# Altium PCB HSBNE-MOTOR.PcbDoc (part 1 of 3) (continued)
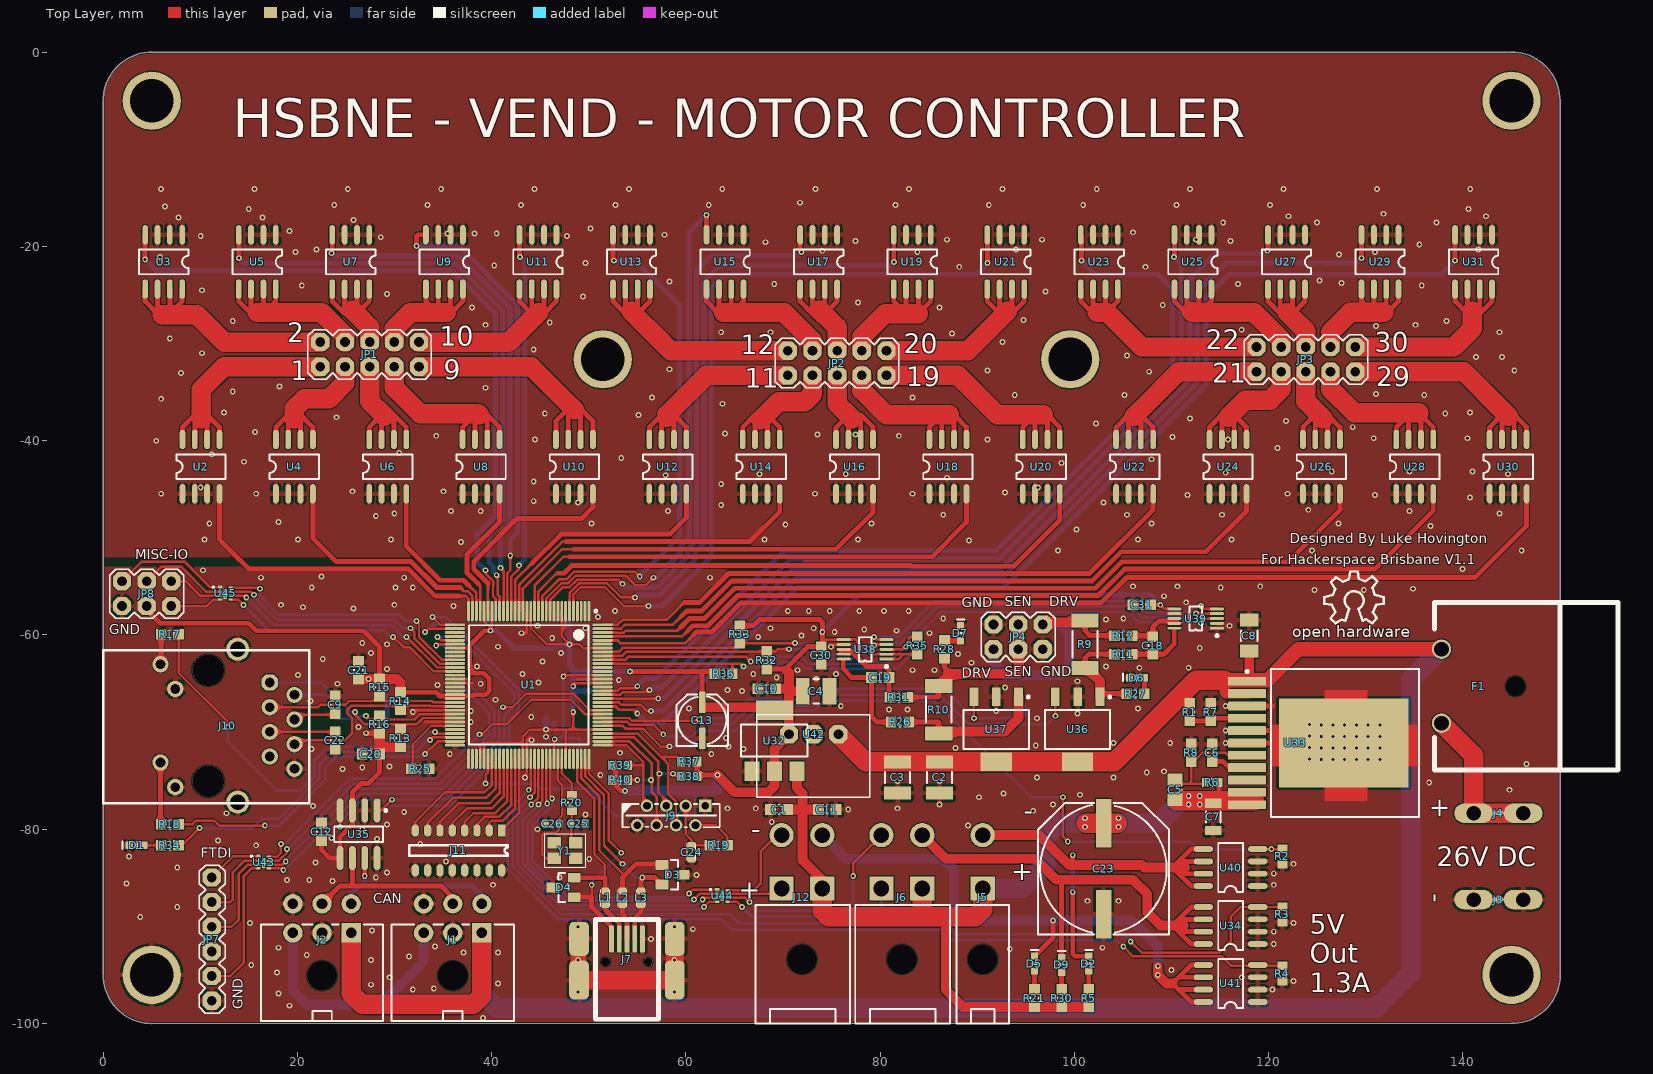
[diagram p0: Top Layer view]
## Footprints (in the part's own frame and the unit in brackets; to place one, negate y for a bottom-side part, rotate by r counter-clockwise, add the part's x,y. Pads: shape width x height; smd on the part's side, far side on the other; paste and mask are expansions set on the pad) (continued)
HEATSINK [mm]
  silkscreen extent 0,0 28,31, body extent 0,0 27.94,30.99, height 6
INF-SOT223_M [mm] "SOT223, 4-Leads, Body 6.5x3.5mm, Pitch 2.3mm, IPC Low Density"
  rect 1.9x0.9 smd: 1(-3.35,2.3) 2(-3.35,0) 3(-3.35,-2.3)
  rect 1.9x3.2 smd: 4(3.35,0)
  silkscreen extent -3.47,-3.35 2,3.43, body extent -1.85,-3.35 1.85,3.35, height 1.7
LED-0603 [mil]
  rect 30x30 smd: 1(-30,0) 2(30,0)
  silkscreen extent -5,-16 56,15, body extent -33,-14 32,14, height 27
M5569-2 [mm]
  rect 2.5x2.5 hole 1.6: 1(0,0)
  round 2.5 hole 1.6: 2(0,5.5)
  round 0 hole 3 unplated: A(0,-7.3)
  silkscreen extent -2.7,-13.9 2.7,-1.7, body extent -2.72,-13.91 3.08,6.03, height 11.4
M43045H-6 [mm]
  rect 2x2 hole 1.1: 1(0,0)
  round 2 hole 1.1: 2(-3,0) 3(-6,0) 4(0,3) 5(-3,3) 6(-6,3)
  round 0 hole 3 unplated: 7(-3,-4.4)
  silkscreen extent -9.3,-9.05 3.3,0.85, body extent -9.57,-8.95 3.58,3.25, height 8.83
magjack [mm]
  oct 1.676x1.676 hole 1: 1(-4.445,-2.54)
  round 1.676 hole 1: 2(-3.175,0) 3(-1.905,-2.54) 4(-0.635,0) 5(0.635,-2.54) 6(1.905,0) 7(3.175,-2.54) 8(4.445,0) 9(-6.325,-13.79) 10(-3.785,-12.27) 11(3.785,-13.79) 12(6.325,-12.27)
  round 2.355 hole 1.6: GND1(-7.875,-5.84) GND2(7.875,-5.84)
  round 3.25 hole 3.25 unplated: ""(-5.715,-8.89) ""(5.715,-8.89)
  silkscreen extent -7.75,-19.69 8,1.51, body extent -7.75,-19.68 8,1.52, height 13.55
"Molex 39-30-1040" [mm]
  rect 2.5x2.5 hole 1.6: 1(0,0) 2(-4.2,0)
  round 2.5 hole 1.6: 3(0,5.5) 4(-4.2,5.5)
  round 0 hole 3 unplated: A(-2.1,-7.3)
  silkscreen extent -6.9,-13.9 2.85,-1.7, body extent -6.96,-13.9 3.04,6.03, height 11.4
MOLX-67503-1020_V [mm] "Mini USB Connector, SMT, Righer Angle"
  rrect50% 2.8x0.5 smd: 1(0,0) 2(0,-0.8) 3(0,-1.6) 4(0,-2.4) 5(0,-3.2)
  rrect50% 3.5x2.05 smd: 6(0.025,3.325) 8(0.025,-6.525)
  rrect50% 4x2.05 smd: 7(-4.225,3.325) 9(-4.225,-6.525)
  round 0.9 hole 0.9 unplated: X(-2.325,-3.8) Y(-2.325,0.6)
  silkscreen extent -8.25,-4.85 2,1.65, body extent -8.22,-6.56 0.78,3.34, height 3.95
NDY0011A_M [mm] "DPAK, 11-Leads, Body 15.25x15.25mm, Pitch 1.27mm, IPC Low Density"
  rrect11% 3.9x0.9 smd: 1(-7.7,6.35) 2(-7.7,5.08) 3(-7.7,3.81) 4(-7.7,2.54) 5(-7.7,1.27) 6(-7.7,0) 7(-7.7,-1.27) 8(-7.7,-2.54) 9(-7.7,-3.81) 10(-7.7,-5.08) 11(-7.7,-6.35)
  rrect1% 13.37x9.126 smd: 12(2.25,0)
  silkscreen extent -7.82,-7.63 10,7.63, body extent -7.78,-7.5 10,7.5, height 6.11
ONSC-UDFN-8-517AD_V [mm] "SON, 8-Leads, Body 1.8x1.2mm, Pitch 0.4mm, Thermal Pad 0.35x1.1mm"
  rect 0.45x0.35 smd: 1(-0.525,0.65)
  rect 0.45x0.25 smd: 2(-0.525,0.2) 3(-0.525,-0.2) 4(-0.525,-0.6) 5(0.525,-0.6) 6(0.525,-0.2) 7(0.525,0.2) 8(0.525,0.6)
  rect 0.35x1.1 smd: 9(0,0)
  silkscreen extent -1.27,0.6 -1.17,0.7, body extent -0.6,-0.9 0.6,0.9, height 0.55
PANASONIC_C [mm]
  rect 2.2x0.65 smd: +(1.9,-0.2) -(-1.8,-0.2)
  silkscreen extent -2.6,-2.85 2.7,2.45, body extent -2.63,-2.88 2.75,2.5, height 5.4
PANASONIC_H13 [mm]
  rect 5x1.6 smd: +(4.7,0) -(-4.7,0)
  silkscreen extent -6.75,-6.75 6.75,6.75, body extent -6.75,-6.75 6.75,6.75, height 13.5
RESC0603(1608)_L [mm] "Chip Resistor, Body 1.6x0.8mm, IPC High Density"
  rect 0.7x0.9 smd: 1(-0.7,0) 2(0.7,0)
  silkscreen extent -0.05,-0.35 0.05,0.35, body extent -0.85,-0.47 0.85,0.47, height 0.6
RESC0603(1608)_M [mm] "Chip Resistor, Body 1.6x0.8mm, IPC Low Density"
  rect 1.1x1.1 smd: 1(-0.9,0) 2(0.9,0)
  silkscreen extent -0.05,-0.45 0.05,0.45, body extent -0.85,-0.47 0.85,0.47, height 0.6
RESC0603(1608)_N [mm] "Chip Resistor, Body 1.6x0.8mm, IPC Medium Density"
  rect 0.9x1 smd: 1(-0.8,0) 2(0.8,0)
  silkscreen extent -0.05,-0.4 0.05,0.4, body extent -0.85,-0.47 0.85,0.47, height 0.6
RESC2010(5025)_M [mm] "Chip Resistor, Body 5.0x2.5mm, IPC Low Density"
  rect 1.45x2.8 smd: 1(-2.45,0) 2(2.45,0)
  silkscreen extent -1.35,-1.3 1.35,1.3, body extent -2.6,-1.35 2.6,1.35, height 0.71
SO-8 [mm]
  oval 2x0.6 smd: 1(0,0) 2(0,-1.27) 3(0,-2.54) 4(0,-3.81) 5(5.588,-3.81) 6(5.588,-2.54) 7(5.588,-1.27) 8(5.588,0)
  silkscreen extent 1.52,-4.44 4.06,0.64, body extent -0.1,-4.32 5.68,0.58, height 1.45
"SOT-23 - ESD" [mm]
  rect 1x1.3 smd: 1(0,0) 2(2,0) 3(1,2.2)
  silkscreen extent -0.5,0.55 2.5,1.65, body extent -0.64,0.51 2.54,1.78, height 1
SOT-223 [mil]
  rect 60x80 smd: 1(0,0) 2(91,0) 3(182,0)
  rect 150x80 smd: 4(91,248)
  silkscreen extent -45,60 225,190, body extent -38,-7 218,267, height 63
SP10 [mm]
  rect 1.45x0.3 smd: 1(0,0)
  oval 1.45x0.3 smd: 2(0,-0.5) 3(0,-1) 4(0,-1.5) 5(0,-2) 6(4.4,-2) 7(4.4,-1.5) 8(4.4,-1) 9(4.4,-0.5) 10(4.4,0)
  silkscreen extent -0.13,-2.25 2.84,0.89, body extent -0.32,-2.57 4.64,0.53, height 1.24
SPADE-6.35-RA [mm]
  oval 4x2 hole 1.5: 1(0,0) 2(5.1,0)
  silkscreen extent 2.25,0 2.85,0, body extent -1.37,-0.42 14.83,0.38, height 9
TI-PDT128_M [mm] "Thin QFP, 128-Leads, Body 14x14mm, Pitch 0.4mm, IPC Low Density"
  oval 2.1x0.3 smd: 1(-7.6,6.2) 2(-7.6,5.8) 3(-7.6,5.4) 4(-7.6,5) 5(-7.6,4.6) 6(-7.6,4.2) 7(-7.6,3.8) 8(-7.6,3.4) 9(-7.6,3) 10(-7.6,2.6) 11(-7.6,2.2) 12(-7.6,1.8) 13(-7.6,1.4) 14(-7.6,1) 15(-7.6,0.6) 16(-7.6,0.2) 17(-7.6,-0.2) 18(-7.6,-0.6) 19(-7.6,-1) 20(-7.6,-1.4) 21(-7.6,-1.8) 22(-7.6,-2.2) 23(-7.6,-2.6) 24(-7.6,-3) 25(-7.6,-3.4) 26(-7.6,-3.8) 27(-7.6,-4.2) 28(-7.6,-4.6) 29(-7.6,-5) 30(-7.6,-5.4) 31(-7.6,-5.8) 32(-7.6,-6.2) 65(7.6,-6.2) 66(7.6,-5.8) 67(7.6,-5.4) 68(7.6,-5) 69(7.6,-4.6) 70(7.6,-4.2) 71(7.6,-3.8) 72(7.6,-3.4) 73(7.6,-3) 74(7.6,-2.6) 75(7.6,-2.2) 76(7.6,-1.8) 77(7.6,-1.4) 78(7.6,-1) 79(7.6,-0.6) 80(7.6,-0.2) 81(7.6,0.2) 82(7.6,0.6) 83(7.6,1) 84(7.6,1.4) 85(7.6,1.8) 86(7.6,2.2) 87(7.6,2.6) 88(7.6,3) 89(7.6,3.4) 90(7.6,3.8) 91(7.6,4.2) 92(7.6,4.6) 93(7.6,5) 94(7.6,5.4) 95(7.6,5.8) 96(7.6,6.2)
  oval 0.3x2.1 smd: 33(-6.2,-7.6) 34(-5.8,-7.6) 35(-5.4,-7.6) 36(-5,-7.6) 37(-4.6,-7.6) 38(-4.2,-7.6) 39(-3.8,-7.6) 40(-3.4,-7.6) 41(-3,-7.6) 42(-2.6,-7.6) 43(-2.2,-7.6) 44(-1.8,-7.6) 45(-1.4,-7.6) 46(-1,-7.6) 47(-0.6,-7.6) 48(-0.2,-7.6) 49(0.2,-7.6) 50(0.6,-7.6) 51(1,-7.6) 52(1.4,-7.6) 53(1.8,-7.6) 54(2.2,-7.6) 55(2.6,-7.6) 56(3,-7.6) 57(3.4,-7.6) 58(3.8,-7.6) 59(4.2,-7.6) 60(4.6,-7.6) 61(5,-7.6) 62(5.4,-7.6) 63(5.8,-7.6) 64(6.2,-7.6) 97(6.2,7.6) 98(5.8,7.6) 99(5.4,7.6) 100(5,7.6) 101(4.6,7.6) 102(4.2,7.6) 103(3.8,7.6) 104(3.4,7.6) 105(3,7.6) 106(2.6,7.6) 107(2.2,7.6) 108(1.8,7.6) 109(1.4,7.6) 110(1,7.6) 111(0.6,7.6) 112(0.2,7.6) 113(-0.2,7.6) 114(-0.6,7.6) 115(-1,7.6) 116(-1.4,7.6) 117(-1.8,7.6) 118(-2.2,7.6) 119(-2.6,7.6) 120(-3,7.6) 121(-3.4,7.6) 122(-3.8,7.6) 123(-4.2,7.6) 124(-4.6,7.6) 125(-5,7.6) 126(-5.4,7.6) 127(-5.8,7.6) 128(-6.2,7.6)
  silkscreen extent -7.72,-6.15 6.15,7.02, body extent -7,-7 7,7, height 1.2

## Part data
C1 C10 C11 C18 C19 C30 C31: library part CMP-1035-00037-1, "CAP 1uF 25V ±0.25pF 0603 (1608 Metric) Thickness 1mm SMD", Case-EIA=0603, Case-Metric=1608, Rated Voltage="25 V", Tolerance=±0.25pF, Max Thickness="1 mm", Technology=SMT
C2 C3: library part CMP-1038-02102-1, "CAP 2.2uF 50V ±20% 1210 (3225 Metric) Thickness 2.8mm SMD", Case-EIA=1210, Case-Metric=3225, Rated Voltage="50 V", Tolerance=±20%, Max Thickness="2.8 mm", Technology=SMT
C4: library part CMP-1038-02259-1, "CAP 22uF 6.3V ±10% 1210 (3225 Metric) Thickness 2.2mm SMD", Case-EIA=1210, Case-Metric=3225, Rated Voltage="6.3 V", Tolerance=±10%, Max Thickness="2.2 mm", Technology=SMT
C5: library part CMP-1036-04051-1, "CAP 22nF 25V ±5% 0805 (2012 Metric) Thickness 1mm SMD", Case-EIA=0805, Case-Metric=2012, Rated Voltage="25 V", Tolerance=±5%, Max Thickness="1 mm", Technology=SMT
C6: library part CMP-1035-00333-1, "CAP 4.7nF 50V ±20% 0603 (1608 Metric) Thickness 1mm SMD", Case-EIA=0603, Case-Metric=1608, Rated Voltage="50 V", Tolerance=±20%, Max Thickness="1 mm", Technology=SMT
C7: library part CMP-1037-00376-1, "CAP 47uF 25V ±0.25pF 1206 (3216 Metric) Thickness 1mm SMD", Case-EIA=1206, Case-Metric=3216, Rated Voltage="25 V", Tolerance=±0.25pF, Max Thickness="1 mm", Technology=SMT
C8: library part CMP-1037-04982-1, "CAP 10uF 50V ±10% 1206 (3216 Metric) Thickness 1.9mm SMD", Case-EIA=1206, Case-Metric=3216, Rated Voltage="50 V", Tolerance=±10%, Max Thickness="1.9 mm", Technology=SMT
C9 C22: library part CMP-1035-02594-1, "CAP 100nF 50V -20% to +80% 0603 (1608 Metric) Thickness 1mm SMD", Case-EIA=0603, Case-Metric=1608, Rated Voltage="50 V", Tolerance="-20% to +80%", Max Thickness="1 mm", Technology=SMT
C12 C14 C15 C16 C17 C20 C21 C28: library part CMP-1035-00010-1, "CAP 100nF 50V ±0.1pF 0603 (1608 Metric) Thickness 1mm SMD", Case-EIA=0603, Case-Metric=1608, Rated Voltage="50 V", Tolerance=±0.1pF, Max Thickness="1 mm", Technology=SMT
C13: library part Cap_Polarized_100uF, "Polarized Capacitor (Surface Mount)", Supplier Part Number 1=PCE4718CT-ND, LatestRevisionDate=29-May-2009, LatestRevisionNote="IPC-7351 Footprint Added.", PackageDescription="Chip Capacitor", PackageReference=C0805, Published=8-Jun-2000, Publisher="Altium Limited", Supplier 1=Digi-Key, Supplier 2=Mouser, Supplier Part Number 2=667-EEE-HAJ101WAR
C23: library part Cap_Polarized_1000uF, "Polarized Capacitor (Surface Mount)", Supplier Part Number 1=PCE3462CT-ND, LatestRevisionDate=29-May-2009, LatestRevisionNote="IPC-7351 Footprint Added.", PackageDescription="Chip Capacitor", PackageReference=C0805, Published=8-Jun-2000, Publisher="Altium Limited", Supplier 1=Digi-Key, Supplier 2=Mouser, Supplier Part Number 2=140-VE102M1ETR1313
C24: library part Cap_100pF, "100nF", Supplier Part Number 1=399-1096-1-ND, LatestRevisionDate=29-May-2009, LatestRevisionNote="IPC-7351 Footprint Added.", PackageDescription="Chip Capacitor", PackageReference=C1206, Published=8-Jun-2000, Publisher="Altium Limited", Supplier 1=Digi-Key, Supplier 2=Mouser, Supplier Part Number 2=80-C0603C104K3R
C25 C26: library part CMP-1035-00602-1, "CAP 12pF 16V ±0.25pF 0603 (1608 Metric) Thickness 1mm SMD", Case-EIA=0603, Case-Metric=1608, Rated Voltage="16 V", Tolerance=±0.25pF, Max Thickness="1 mm", Technology=SMT
C29: library part CMP-1035-02796-1, "CAP 10uF 6.3V ±10% 0603 (1608 Metric) Thickness 1mm SMD", Case-EIA=0603, Case-Metric=1608, Rated Voltage="6.3 V", Tolerance=±10%, Max Thickness="1 mm", Technology=SMT
D1 D2 D5 D6 D7 D9: "Typical RED, GREEN, YELLOW, AMBER GaAs LED", Supplier Part Number 1=475-1409-1-ND, LatestRevisionDate=17-Jul-2002, LatestRevisionNote="Re-released for DXP Platform.", PackageDescription="SM LED; 2 Flat Leads", PackageReference=3.2X1.6X1.1, PackageVersion=Feb-2002, Published=8-Jun-2000, Publisher="Altium Limited", Supplier 1=Digi-Key, Supplier 2=Mouser, Supplier Part Number 2=720-LGQ971-KN-1
D3 D4: library part 2749, "DIO GSOT12C ESD 2LINE 12V SOT23", MPN=GSOT12C-E3-08, COST1K=0.11250, COST10=0.3750, COST100=0.25000, MAN="Vishay Semiconductor Diodes Division", SPN=GSOT12C-E3-08DKR-ND, Supplier=Digi-Key
F1: Supplier Part Number 1=F064-ND, Supplier 1=Digi-Key
J1 J2: library part CON6, CID=317
J3 J4 J5: library part CON2, "6.35mm right-angle 90° male spade terminal PCB mount", CID=643, CID2=643, CID3=643
J6 J12: library part "Header 2x2", "Header, 4-Pin", Supplier Part Number 1=1593440, Supplier 1=Farnell
J7: library part CMP-0411-00002-1, "USB, MINI, SMD, RA KME04-USBMU03A01", Manufacturer=Molex, ComponentLink1Description="Manufacturer URL", ComponentLink1URL=http://www.molex.com/, ComponentLink2Description=Datasheet, ComponentLink2URL=http://www.molex.com/pdm_docs/sd/675031020_sd.pdf, DatasheetVersion="Rev F, 06/2009", Mounting Technology="Surface Mount", PackageDescription="Mini USB Connector, SMT, Righer Angle", PackageReference=67503-1020, PartNumber=67503-1020, Terminal Pitch="0.8 mm"
J9: library part CON8, CID=238
J10: library part MagJack, Supplier Part Number 1=ARJC02-111008B-ND, Supplier 1=Digikey
J11: library part DIP8, Supplier Part Number 1=CT3111-ND, Supplier 1=Digikey
JP1 JP2 JP3: library part "Header 5x2", "Header, 8-Pin", Supplier Part Number 1=1593440, Supplier 1=Farnell
JP4 JP8: library part "Header 3x2", "Header, 6-Pin", Supplier Part Number 1=952-1788-ND, Supplier 1=Digi-Key, Supplier 2=Mouser, Supplier Part Number 2=855-M20-9980446
JP7: library part "Header 6", "Header, 6-Pin", Supplier Part Number 1=952-2270-ND, Supplier 1=Digi-Key, Supplier 2=Mouser, Supplier Part Number 2=538-90120-1086
L1 L2 L3: library part 2982, "IND FERRITE CHIP BEAD 1000 OHM @ 100MHz 800mA 0603", COST1K=0.02717, COST10=0.0790, COST100=0.04720, MAN="TDK Corporation", MPN=MPZ1608S102A, SPN=445-8694-6-ND, Supplier=Digi-Key
R1 R2 R3 R4 R37 R38 R39 R40 R41 R42: library part CMP-1012-00098-1, "10K 0.1W 5% 0603 (1608 Metric)  SMD", Case-EIA=0603, Case-Metric=1608, Power="0.1 W", Tolerance="5 %", Technology=SMT
R5 R17 R18 R21 R30 R34: library part CMP-1012-00058-1, "220R 0.1W 5% 0603 (1608 Metric)  SMD", Case-EIA=0603, Case-Metric=1608, Power="0.1 W", Tolerance="5 %", Technology=SMT
R6: library part CMP-1012-00096-1, "8K2 0.1W 5% 0603 (1608 Metric)  SMD", Case-EIA=0603, Case-Metric=1608, Power="0.1 W", Tolerance="5 %", Technology=SMT
R7 R8 R27 R28: library part CMP-1012-00078-1, "1K5 0.1W 5% 0603 (1608 Metric)  SMD", Case-EIA=0603, Case-Metric=1608, Power="0.1 W", Tolerance="5 %", Technology=SMT
R9 R10: library part CMP-1017-00001-1, "0.1R 2010 1%", Case-EIA=2010, Case-Metric=5025, Power=None, Technology=SMT, Tolerance=None
R11 R12 R26 R31: library part CMP-1012-00026-1, "10R 0.1W 5% 0603 (1608 Metric)  SMD", Case-EIA=0603, Case-Metric=1608, Power="0.1 W", Tolerance="5 %", Technology=SMT
R13 R14 R15 R16: library part CMP-1012-00042-1, "49.9R 0.1W 1% 0603 (1608 Metric)  SMD", Case-EIA=0603, Case-Metric=1608, Power="0.1 W", Tolerance="5 %", Technology=SMT
R19 R32 R33 R35 R36: library part CMP-1012-00083-1, "2K43 0.1W 5% 0603 (1608 Metric)  SMD", Case-EIA=0603, Case-Metric=1608, Power="0.1 W", Tolerance="5 %", Technology=SMT
R20: library part CMP-1012-00081-1, "2K 0.1W 5% 0603 (1608 Metric)  SMD", Case-EIA=0603, Case-Metric=1608, Power="0.1 W", Tolerance="5 %", Technology=SMT
R25: library part CMP-1012-00090-1, "4K87 0.1W 1% 0603 (1608 Metric)  SMD", Case-EIA=0603, Case-Metric=1608, Power="0.1 W", Tolerance="5 %", Technology=SMT
U1: library part CMP-0945-00007-1, "Tiva C Series Microcontroller, 1024 KB Flash, 256 KB SRAM, 12 Bit, 20 Channels, -40 to 85 degC, 128-Pin TQFP (PDT), Green (RoHS & no Sb/Br), Tape and Reel", Manufacturer="Texas Instruments", Temperature Range="-40 to 85 degC", ADC Channels=20, ADC Resolution="12 Bits", ComponentLink1Description="Manufacturer URL", ComponentLink1URL=http://www.ti.com/, ComponentLink2Description=Datasheet, ComponentLink2URL=http://www.ti.com/lit/ds/symlink/tm4c1294ncpdt.pdf, ComponentLink3Description="Package Specification", ComponentLink3URL=http://www.ti.com/lit/ml/mpqf013/mpqf013.pdf, CPU="ARM Cortex-M4", DatasheetVersion=15863.2743, Eco-Plan="Green (RoHS & no Sb/Br)", Flash="1024 KB", Max Speed="120 MHz", Mounting Technology="Surface Mount", PackageDescription="128-Pin Thin Quad Flat Package, Body 14 x 14 mm, Pitch 0.4 mm", PackageVersion=4087726/A, Packing="Tape and Reel", PartId=2, PartNumber=TM4C1294NCPDTI3R, SRAM="256 KB"
U2 U3 U4 U5 U6 U7 U8 U9 U10 U11 U12 U13 U14 U15 U16 U17 U18 U19 U20 U21 U22 U23 U24 U25 U26 U27 U28 U29 U30 U31 U34 U40 U41: "MOSFET N-CH 60V 1.3A S08", Manufacturer="On Semiconductor", PartNumber=NCV8402ASTT1G, Channel Polarity="N Channel", ComponentLink1Description="Manufacturer URL", ComponentLink1URL=http://www.onsemi.com/, ComponentLink2Description=Datasheet, ComponentLink2URL=http://www.onsemi.com/pub_link/Collateral/NCV8402-D.PDF, ComponentLink3Description="Package Specification", ComponentLink3URL=http://www.onsemi.com/pub_link/Collateral/318E-04.PDF, DatasheetVersion="Rev. 8", Mounting Technology="Surface Mount", PackageDescription="4-Pin Small Outline Transistor, Body 6.5 x 3.5 mm, Pitch 2.3 mm", PackageReference=SOT-223-4-318E-04, PackageVersion="Rev. N, 08/2009", Packing="Tape and Reel", RoHS=Pb-Free
U32: library part AZ1117EH, "Reg 1A 3V3 OUT SIP VERT", Supplier Part Number 1=AZ1117EH-3.3TRG1DICT-ND, Supplier 1=Digi-Key
U33: library part CMP-0069-02067-2, "10A SIMPLE SWITCHER® Power Module with 36V Maximum Input Voltage and Current Sharing, 11 pin TO-PMOD, 32 Rail", Manufacturer="Texas Instruments", PackageTopMarking=NSUZXYTTE#*LMZ23610, PowerWise=N, ComponentLink1Description="Datasheet URL", ComponentLink1URL=http://www.ti.com/general/docs/lit/getliterature.tsp?genericPartNumber=LMZ23610&fileType=pdf, CompType=Switcher, PackageDescription="TO-PMOD, 15 x 15 x 5.9 mm Body, 11 Lead, 1.27 mm Pitch, Surface Mount", PackageReference=NDY0011A, PinCount=11, RoHS=Y
U35: library part CMP-0315-00083-1, "3.3V CAN Transceiver with Sleep Mode, 6 mA, -40 to 125 degC, 8-pin SOIC (D), Green (RoHS & no Sb/Br)", Bus Fault Voltage(V)=+/-30, Drivers Per Package=1, Low Power Mode=Sleep, Manufacturer="Texas Instruments", Rating=Catalog, Supply Voltage(s)(V)=3.3, Code_JEDEC=MS-012AA, ComponentLink1Description=Datasheet, ComponentLink1URL=http://www.ti.com/general/docs/lit/getliterature.tsp?genericPartNumber=SN65HVD234&fileType=pdf, DatasheetVersion=SLLS557F, Eco-Plan="Green (RoHS & no Sb/Br)", ICC(Max)(mA)=6, Isolated=No, Mounting Technology="Surface Mount", PackageDescription="8-Pin Plastic Small Outline Integrated Circuit, 4.9 x 3.9 mm, Pitch 1.27 mm Pitch", PackageReference=D8, PackageVersion="revM, Jun-2011", PartNumber=SN65HVD234D, Receivers Per Package=1, SubFamily=CAN, Transient Pulse Protection(V)="-100 to 100"
U36 U37: library part CMP-1095-00143-1, "Smart High-Side NMOS-Power Switch, 11 to 45 V Operating, -40 to 125 degC, SOT223, Reel, Green", Load Current (typ)="0.7 A", Manufacturer=Infineon, Operating Voltage Range (max)="45 V", Operating Voltage Range (min)="11 V", Channels=1, ComponentLink1Description="Manufacturer URL", ComponentLink1URL=http://www.infineon.com/, ComponentLink2Description=Datasheet, ComponentLink2URL=http://www.infineon.com/dgdl/ITS4200S-ME-O_01092012S.pdf?folderId=db3a304412b407950112b408e8c90004&fileId=db3a304339dcf4b1013a013fb7455740, ComponentLink3Description="Package Specification", ComponentLink3URL=http://www.infineon.com/dgdl/SOT223-Package_Overview.pdf?folderId=db3a30431936bc4b0119530470b03c3d&fileId=db3a30431936bc4b0119531d40b93c5c, DatasheetVersion="Rev. 1.0", Green=TRUE, IL (nom)min - all channels active="0.7 A", IL (nom)min - one channel active="0.7 A", IL (SC)="1.1 A", IL (SCp)="1.4 A", Mounting Technology="Surface Mount", PackageDescription="4-Pin Small Outline Transistor Package, 6.5 x 3.5 mm Body, 2.3 mm Pitch", PackageReference=SOT223, PackageVersion=Apr-08, Packing=Reel, PartNumber=ITS4200S-ME-O, Ptot (max)="1.4 W", RON (max) @ Tj max="320 mOhm", RON @ 25 degC="200 mOhm (max)", toff (max)="150 us", ton (max)="100 us"
U38 U39: Supplier Part Number 1=296-29034-1-ND, Supplier 1=Digi-Key
U42: library part "Buck 3V3 OUT SIP VERT", "3V3 OUT SIP VERT", Supplier Part Number 1=945-1661-5-ND, Supplier 1=Digikey
U43 U44 U45: library part CMP-1066-00052-1, "4-Channel EMI Filter with Integrated ESD Protection, -40 to 85 degC, 8-Pin UDFN, Pb-Free, Tape and Reel", Manufacturer="On Semiconductor", ComponentLink1Description="Manufacturer URL", ComponentLink1URL=http://www.onsemi.com/, ComponentLink2Description=Datasheet, ComponentLink2URL=http://www.onsemi.cn/pub_link/Collateral/NUF4001MU-D.PDF, ComponentLink3Description="Package Specification", ComponentLink3URL=http://www.onsemi.com/pub_link/Collateral/517AD.PDF, DatasheetVersion="Rev. 7", Mounting Technology="Surface Mount", Number of Lines=4, PackageDescription="8-Pin Small Outline No-Lead, Body 1.8 x 1.2 mm, Pitch 0.4 mm", PackageReference=UDFN-8-517AD, PackageVersion="Rev. D, 10/2012", Packing="Tape and Reel", PartNumber=NUF4001MUT2G, RoHS=Pb-Free, V(BR) Typ (V)=7, VRWM Max (V)=5
Y1: library part Crystal_25MHz, "Surface Mount Quartz Crystal", PackageDocument=28-Aug-2001, Supplier Part Number 1=644-1259-1-ND, ComponentLink1Description="Manufacturer Link", ComponentLink1URL=http://www.cmac.com/mt/, ComponentLink2Description=Datasheet, ComponentLink2URL=http://www.cmac.com/mt/databook/crystals/smd/90_91_smx.pdf, DatasheetDocument=28-Aug-2001, Note="PCB layout complies with manufacturer's recommendation.", PackageReference=91SMX, Published=17-Jul-2002, Publisher="Altium Limited", Supplier 1=Digi-Key

## Free pads (board coordinates)
  round 6 hole 4.5 unplated: 0(145,-5) 1(5,-5) 3(145,-95) 4(99.568,-31.623) 5(51.435,-31.623)
  round 6 hole 4.5: 2(5,-95)

## Via types
v1: diameter 0.6, hole 0.3, Top Layer to Bottom Layer, tented both sides, 543 vias
v2: diameter 0.6, hole 0.3, Top Layer to Bottom Layer, tented bottom, 28 vias

## Nets (pads, with @x,y where several pads share a name; then routed paths per layer and width w, separated by ;. In a path a pad name is that pad's centre, name@x,y a point inside that pad or via, vN(x,y) a via of type N, cw(c..) or ccw(c..) an arc to the next point about the centre after c; other vN are vias at no path point)
3V3: C4.2 C10.2 C12.2 C13.+ C14.2 C15.2 C16.2 C17.2 C20.2 C21.2 C30.1 C31.1 J9.2 JP8.4 R13.2 R14.2 R15.2 R16.2 R19.2 R32.2 R33.2 R35.2 R36.2 R37.2 R38.2 R39.1 R40.1 U1.7 U1.8 U1.16 U1.26 U1.28 U1.39 U1.47 U1.51 U1.52 U1.68 U1.69 U1.79 U1.90 U1.101 U1.113 U1.122 U32.2 U32.4 U35.3 U35.5 U38.1 U38.2 U38.6 U39.6 U42.3 | length 302.7
  Top Layer w0.254: U1.47@36.215,-64.551 37.719,-64.551 37.719,-63.474 ; U1.39@36.215,-61.351 37.719,-61.351 ; U1.68@38.815,-72.751 38.815,-71.294 38.961,-71.148 39.215,-71.148 U1.69@39.215,-72.751 ; U1.28@39.215,-57.551 39.215,-58.584 39.878,-59.247 v1@39.878,-59.309 ; 39.243,-71.12 43.215,-71.12 ; v1@39.634,-59.553 v1@39.878,-59.309 ; v1(39.878,-59.563) v1@39.878,-59.309 ; U1.26@40.015,-57.551 40.015,-59.172 v1@39.878,-59.309 ; U1.79@43.215,-72.751 43.215,-71.12 ; U1.16@44.015,-57.551 44.015,-59.309 45.685,-60.979 v1(48.025,-60.979) ; 46.415,-69.811 46.355,-69.751 ; U1.8@47.215,-57.551 47.215,-59.309 ; U1.90@47.615,-72.751 47.615,-69.761 ; U1.7@47.615,-57.551 47.615,-59.309 47.215,-59.309 ; v1(48.387,-67.945) 48.387,-69.751 ; v1(48.387,-65.278) 48.451,-65.214 48.451,-64.951 U1.113@51.415,-64.951 ; U1.101@51.415,-69.751 48.387,-69.751 ; U1.122@51.415,-61.351 49.403,-61.351 49.031,-60.979 v1(48.025,-60.979) ; J9.2@60.976,-79.597 63.087,-79.597 64.273,-80.783 R19.2@64.273,-81.661 ; 74.041,-60.484 U38.6@76.245,-60.484 76.277,-60.452 77.47,-60.452 79.002,-61.984 U38.2@80.645,-61.984 82.415,-61.984 ; U38.1@80.645,-62.484 81.921,-62.484 82.418,-61.987 R35.2@83.82,-61.987 ; C31.1@107.834,-56.896 v1(108.839,-56.896) 109.252,-57.309 U39.6@110.281,-57.309 ; 43.215,-71.12 43.215,-70.45 43.914,-69.751 46.355,-69.751 ; 46.355,-69.751 48.387,-69.751 ; 47.215,-59.309 47.215,-60.169 v1(48.025,-60.979)
  Top Layer w0.5: JP8.4@4.475,-57.023 4.475,-57.434 5.842,-58.801 14.986,-58.801 15.748,-59.563 26.797,-59.563 28.448,-61.214 R15.2@28.448,-64.505 ; C12.2@22.479,-81.164 22.479,-82.169 23.278,-82.968 U35.5@24.384,-82.968 24.384,-80.772 25.654,-79.502 U35.3@25.654,-78.068 25.654,-76.2 26.543,-75.311 27.305,-75.311 28.459,-74.157 C20.2@28.459,-72.263 ; v1(27.062,-70.115) R16.2@28.448,-70.115 ; R14.2@30.607,-65.902 34.272,-65.902 34.671,-66.301 37.966,-66.301 38.116,-66.151 39.386,-66.151 39.751,-65.786 39.751,-64.516 39.181,-63.946 38.191,-63.946 37.719,-63.474 37.719,-61.351 37.719,-61.059 39.215,-59.563 v1(39.878,-59.563) ; R39.1@52.794,-73.66 52.794,-75.527 53.34,-76.073 ; v1(54.229,-63.754) 62.357,-63.754 R36.2@62.684,-64.081 ; R37.2@61.125,-72.898 61.125,-74.295 61.252,-74.422 v1(63.246,-74.422) ; C13.+@61.668,-66.934 61.668,-63.827 ; R33.2@65.532,-59.044 66.94,-59.044 67.564,-58.42 73.787,-58.42 74.041,-58.674 v1(74.041,-59.69) 74.041,-60.484 C30.1@74.041,-61.214 ; R32.2@68.326,-63.511 70.223,-63.511 ; 70.358,-63.627 70.358,-63.376 72.531,-61.203 C30.1@73.914,-61.203
  Top Layer w1: C21.2@26.289,-64.527 v1(27.305,-64.527) 30.237,-64.527 30.607,-64.897 R14.2@30.607,-65.902 ; C20.2@28.448,-72.252 R16.2@28.448,-70.115 ; 28.564,-71.512 R13.2@30.607,-71.512 ; 62.101,-67.437 U32.4@70.601,-67.437 ; v1(63.246,-74.422) 65.024,-76.2 68.453,-76.2 69.113,-75.54 U32.2@69.113,-74.041 69.113,-71.73 U42.3@70.612,-70.231 70.601,-70.22 U32.4@70.601,-67.437 ; C10.2@69.226,-65.532 70.347,-65.532 ; 70.358,-63.627 70.601,-63.87 70.601,-65.913 ; 70.855,-65.913 70.601,-65.913 ; 70.982,-65.786 C4.2@72.031,-65.786 ; U32.4@70.601,-67.437 70.601,-65.913
  Bottom Layer w0.254: J9.2@60.976,-79.851 J9.2@60.976,-79.597 60.976,-76.258
  Bottom Layer w0.5: v1(27.062,-70.115) 27.802,-70.115 29.21,-68.707 29.21,-66.432 v1(27.305,-64.527) ; C15.2@40.375,-57.023 40.375,-58.177 39.878,-58.674 v1(39.878,-59.563) 40.513,-59.563 42.291,-61.341 46.488,-61.341 46.784,-61.045 47.959,-61.045 v1(48.025,-60.979) ; v1(45.593,-69.723) C17.2@45.593,-68.337 ; C14.2@46.736,-58.431 47.636,-58.431 48.025,-58.82 v1(48.025,-60.979) ; v1(48.387,-67.945) v1(48.387,-65.278) 48.387,-63.373 ; 48.387,-65.786 C16.2@50.154,-65.786 ; v1(54.229,-63.754) 48.768,-63.754 48.387,-63.373 ; v1(74.041,-59.69) 77.851,-55.88 107.823,-55.88 v1(108.839,-56.896) ; v1(48.025,-60.979) 48.025,-63.011 48.387,-63.373
  Bottom Layer w1: v1(53.721,-76.073) 53.774,-76.02 63.246,-76.02 v1(63.246,-74.422)
5V: C1.2 C5.2 C7.1 C11.2 C23.+ J5.1 J6.1 J12.1 R5.2 R6.1 R21.2 R30.2 U32.3 U33.10 U33.11 | length 104.1
  Top Layer w0.5: 114.873,-76.767 R6.1@114.873,-75.184
  Top Layer w1: C1.2@70.496,-77.978 72.009,-77.978 ; U32.3@71.425,-74.041 71.425,-75.743 72.009,-76.327 72.009,-77.978 ; C11.2@73.649,-77.978 72.009,-77.978 ; J12.1@74.041,-86.106 74.041,-85.217 72.009,-83.185 72.009,-77.978 ; 86.741,-89.027 86.741,-96.52 88.519,-98.298 R21.2@95.885,-98.298 R30.2@98.679,-98.298 R5.2@101.473,-98.298
  Top Layer w2: J12.1@74.041,-86.106 74.041,-88.392 74.676,-89.027 84.328,-89.027 ; J6.1@84.328,-86.106 84.328,-89.027 ; J5.1@90.551,-86.106 90.551,-88.265 89.789,-89.027 86.741,-89.027 84.328,-89.027 ; 101.218,-79.374 C23.+@102.997,-79.374 104.394,-79.374 ; C5.2@110.506,-77.089 U33.11@118.491,-77.089
  Bottom Layer w2: J5.1@90.551,-86.106 94.615,-86.106 97.028,-83.693 97.028,-80.772 98.425,-79.375 108.712,-79.375 110.998,-77.089 112.776,-77.089
  other v1: 101.092,-79.756 104.521,-79.756 101.092,-78.867 104.521,-78.867 111.76,-77.47 112.903,-77.47 111.76,-76.581 112.903,-76.581
26V: F1.1 J4.1 J4.2 | length 15.7
  Top Layer w2: F1.1@137.795,-69.088 141.097,-72.39 J4.1@141.097,-78.359 J4.2@146.197,-78.359
+SMOT: C19.2 R26.2 U38.10 | length 10.5
  Top Layer w0.254: 76.2,-62.738 U38.10@76.2,-62.529
  Top Layer w0.5: 76.2,-62.738 76.2,-63.5 77.089,-64.389 C19.2@79.11,-64.389 79.11,-68.442 79.629,-68.961 R26.2@81.142,-68.961
+SVDD: C18.2 R11.2 U39.10 | length 6.8
  Top Layer w0.254: 110.281,-59.608 U39.10@110.281,-59.309
  Top Layer w0.5: R11.2@105.929,-61.976 109.22,-61.976 110.281,-60.915 110.281,-59.608 ; C18.2@107.95,-61.849 C18.2@108.204,-61.595
-SMOT: C19.1 R31.2 U38.8 U38.9 | length 8.6
  Top Layer w0.5: 75.946,-61.722 77.089,-61.722 78.613,-63.246 80.518,-63.246 80.91,-63.638 C19.1@80.91,-64.389 80.91,-66.316 R31.2@81.015,-66.421
-SVDD: C18.1 R12.2 U39.8 U39.9 | length 5.6
  Top Layer w0.5: R12.2@105.929,-60.071 107.961,-60.071 108.077,-59.955 108.077,-59.182 108.712,-58.547 110.49,-58.547
ACT-LED: R18.2 U1.63 | length 33.1
  Top Layer w0.254: R18.2@7.758,-79.502 9.144,-79.502 9.525,-79.121 11.43,-79.121 11.938,-79.629 v1(16.637,-79.629) ; v1(33.147,-72.263) 34.459,-70.951 U1.63@36.215,-70.951
  Bottom Layer w0.254: v1(16.637,-79.629) 18.131,-79.629 22.86,-74.9 22.86,-73.66 24.003,-72.517 32.893,-72.517 v1(33.147,-72.263)
AUX_A: U1.83 U44.4 | length 34.5
  Top Layer w0.254: v1(44.069,-77.47) 44.815,-76.724 U1.83@44.815,-72.751 ; v1(61.849,-88.011) 62.392,-87.468 U44.4@63.229,-87.468
  Bottom Layer w0.254: v1(44.069,-77.47) 42.672,-78.867 42.672,-83.566 47.371,-88.265 61.595,-88.265 v1(61.849,-88.011)
AUX_B: U1.84 U44.3 | length 33.8
  Top Layer w0.254: v1(44.831,-77.47) 45.215,-77.086 U1.84@45.215,-72.751 ; v1(61.722,-87.249) 61.903,-87.068 U44.3@63.229,-87.068
  Bottom Layer w0.254: v1(44.831,-77.47) 43.18,-79.121 43.18,-83.439 47.625,-87.884 61.087,-87.884 v1(61.722,-87.249)
AUX_EN: R3.2 U1.82 U34.4 | length 98.3
  Top Layer w0.254: v1(43.942,-76.708) 44.415,-76.235 U1.82@44.415,-72.751 ; v1(105.791,-91.567) 106.934,-92.71 114.935,-92.71 116.078,-91.567 116.078,-89.027 117.094,-88.011 U34.4@118.872,-88.011 R3.2@121.374,-88.011
  Bottom Layer w0.254: v1(43.942,-76.708) 42.164,-78.486 42.164,-83.82 47.117,-88.773 64.516,-88.773 65.405,-89.662 86.487,-89.662 87.63,-90.805 105.029,-90.805 v1(105.791,-91.567)
AUX_GND: D9.2 J6.3 U34.5 U34.6 U34.7 U34.8 | length 53.1
  Top Layer w0.5: D9.2@98.679,-93.207 98.679,-84.963 ; U34.8@113.284,-91.821 112.02,-91.821 110.75,-90.551 ; U34.7@113.284,-90.551 110.75,-90.551 ; U34.6@113.284,-89.281 110.738,-89.281 ; U34.5@113.284,-88.011 112.008,-88.011 110.738,-89.281 ; 110.738,-89.281 110.109,-89.91 110.115,-89.916 110.75,-90.551
  Top Layer w1: J6.3@84.328,-80.606 86.78,-83.058 96.012,-83.058 98.171,-85.217 106.045,-85.217 107.505,-86.677 107.505,-88.582 108.839,-89.916 110.115,-89.916 111.252,-89.916
BRD-26V: C2.2 C3.2 C8.1 F1.2 J1.1 J2.1 R1.2 U33.1 U33.2 U36.4 U37.4 U42.1 | length 241.9
  Top Layer w0.5: 110.617,-66.548 111.114,-67.045 R1.2@111.887,-67.045
  Top Layer w1: 115.443,-64.643 115.443,-65.913 115.57,-66.04 U33.2@117.876,-66.04 ; U33.1@117.983,-64.643 C8.1@117.983,-61.671
  Top Layer w1.5: 115.443,-64.643 U33.1@117.876,-64.643 ; U33.1@117.983,-64.643 119.888,-64.643 123.063,-61.468 F1.2@137.795,-61.468
  Top Layer w2: J2.1@25.527,-90.678 25.527,-96.901 26.67,-98.044 38.1,-98.044 38.989,-97.155 J1.1@38.989,-90.678 ; U42.1@75.692,-70.231 78.537,-73.076 C3.2@81.788,-73.076 C2.2@86.106,-73.076 U37.4@91.945,-73.076 ; U37.4@91.948,-73.073 U36.4@100.33,-73.073 104.092,-73.073 110.617,-66.548 112.522,-64.643 115.443,-64.643
  Bottom Layer w2: J1.1@38.989,-90.678 38.989,-96.901 40.513,-98.425 131.064,-98.425 134.62,-94.869 134.62,-64.643 F1.2@137.795,-61.468
CAN0RX: U1.33 U35.4 | length 44.2
  Top Layer w0.254: v1(24.384,-79.756) U35.4@24.384,-78.068 ; v1(33.909,-58.166) 34.694,-58.951 U1.33@36.215,-58.951
  Bottom Layer w0.254: v1(24.384,-79.756) 24.384,-79.248 26.67,-76.962 28.702,-76.962 29.337,-77.597 35.687,-77.597 41.783,-71.501 41.783,-68.707 42.799,-67.691 42.799,-65.659 35.306,-58.166 v1(33.909,-58.166)
CAN0TX: U1.34 U35.1 | length 37.2
  Top Layer w0.254: U35.1@28.194,-78.068 28.612,-78.068 v1(29.718,-76.962) ; v1(33.147,-59.69) 33.463,-59.374 36.192,-59.374 U1.34@36.215,-59.351
  Bottom Layer w0.254: v1(29.718,-76.962) 29.737,-76.943 35.452,-76.943 41.275,-71.12 41.275,-68.341 42.306,-67.31 42.306,-65.928 35.306,-58.928 33.909,-58.928 v1(33.147,-59.69)
"CAN H": J1.4 J2.4 U35.7 | length 19
  Top Layer w0.5: v1(26.924,-84.836) U35.7@26.924,-82.968
  Bottom Layer w0.5: J2.4@25.527,-87.678 25.527,-86.614 26.289,-85.852 26.924,-85.852 ; v1(26.924,-84.836) 26.924,-85.852 ; J1.4@38.989,-87.678 38.989,-86.868 37.973,-85.852 26.924,-85.852
"CAN L": J1.5 J2.5 U35.6 | length 18.2
  Top Layer w0.5: J2.5@22.527,-87.678 24.353,-85.852 25.654,-85.852 ; U35.6@25.654,-82.968 25.654,-85.852 ; J1.5@35.989,-87.678 35.989,-87.043 34.798,-85.852 25.654,-85.852
CAN_SHIELD: J1.3 J2.3 | length 24.8
  Bottom Layer w1: J2.3@19.527,-90.678 19.527,-96.616 20.955,-98.044 28.575,-98.044 32.989,-93.63 J1.3@32.989,-90.678
EN0LED2: R34.2 U1.62 | length 34
  Top Layer w0.254: R34.2@7.758,-81.661 8.128,-81.661 v1(9.906,-79.883) ; v1@33.655,-70.739 v1(33.655,-70.823) 33.927,-70.551 U1.62@36.215,-70.551
  Bottom Layer w0.254: v1(9.906,-79.883) 15.393,-79.883 16.347,-78.929 18.099,-78.929 22.225,-74.803 22.225,-73.376 23.592,-72.009 32.264,-72.009 33.45,-70.823 v1(33.655,-70.823)
EP_LED_1: J10.9 R17.1 | length 3.1
  Top Layer w0.5: J10.9@5.895,-63.017 5.958,-62.954 R17.1@5.958,-59.944
EP_LED_2: J10.11 R18.1 | length 6.3
  Top Layer w0.5: R18.1@5.895,-79.439 J10.11@5.895,-73.127
EXT_A: U1.85 U44.2 | length 33
  Top Layer w0.254: U1.85@45.615,-72.751 45.615,-77.238 v1(45.72,-77.343) ; v1(60.833,-87.249) 61.414,-86.668 U44.2@63.229,-86.668
  Bottom Layer w0.254: v1(45.72,-77.343) 43.688,-79.375 43.688,-83.415 47.649,-87.376 60.706,-87.376 v1(60.833,-87.249)
EXT_B: U1.86 U44.1 | length 32.5
  Top Layer w0.254: U1.86@46.015,-72.751 46.015,-76.622 v1(46.228,-76.835) v1@46.247,-76.854 ; v1(60.325,-86.614) 60.721,-86.218 U44.1@63.229,-86.218
  Bottom Layer w0.254: v1(46.228,-76.835) 46.247,-76.854 46.247,-77.578 44.196,-79.629 44.196,-83.319 46.406,-85.53 47.383,-86.506 47.899,-87.022 59.944,-87.022 60.325,-86.641 v1(60.325,-86.614)
EXT_EN: R4.2 U1.81 U41.4 | length 96.2
  Top Layer w0.254: v1(43.815,-75.946) 44.015,-75.746 U1.81@44.015,-72.751 ; v1(105.029,-92.075) 106.045,-93.091 115.189,-93.091 116.167,-94.069 R4.2@121.412,-94.069
  Bottom Layer w0.254: v1(43.815,-75.946) 41.656,-78.105 41.656,-84.074 46.863,-89.281 63.627,-89.281 64.706,-90.361 86.296,-90.361 87.376,-91.44 104.394,-91.44 v1(105.029,-92.075)
EXT_GND: D5.2 J12.3 U41.5 U41.6 U41.7 U41.8 | length 64.7
  Top Layer w0.5: J12.3@74.041,-80.606 J12.3@74.159,-80.606 ; D5.2@95.885,-93.08 97.79,-91.175 v1(97.79,-89.408) ; U41.8@113.284,-97.79 112.02,-97.79 110.75,-96.52 ; U41.7@113.284,-96.52 110.75,-96.52 ; U41.6@113.284,-95.25 110.738,-95.25 ; U41.5@113.284,-93.98 112.008,-93.98 110.738,-95.25 ; 110.738,-95.25 110.109,-95.879 110.75,-96.52
  Top Layer w1: v1(108.585,-94.107) v1(108.585,-94.996) 109.468,-95.879 110.109,-95.879
  Bottom Layer w1: J12.3@74.041,-80.606 76.493,-83.058 86.487,-83.058 87.63,-84.201 87.63,-87.884 89.154,-89.408 v1(97.79,-89.408) 105.918,-89.408 108.585,-92.075 v1(108.585,-94.996)
F_AUXA: J6.2 U44.5 | length 18.9
  Top Layer w0.254: U44.5@64.279,-87.468 65.243,-87.468 v1(65.786,-88.011)
  Bottom Layer w0.254: v1(65.786,-88.011) 66.802,-89.027 79.248,-89.027 80.128,-88.147 J6.2@80.128,-86.106
F_AUXB: J6.4 U44.6 | length 21.9
  Top Layer w0.254: U44.6@64.279,-87.068 66.113,-87.068 v1(66.548,-87.503) ; v1(77.216,-84.836) 77.216,-83.518 J6.4@80.128,-80.606
  Bottom Layer w0.254: v1(66.548,-87.503) 67.437,-88.392 76.2,-88.392 77.216,-87.376 v1(77.216,-84.836)
F_CTS: JP7.5 U43.4 | length 14.6
  Top Layer w0.254: JP7.5@11.176,-95.123 13.081,-95.123 14.478,-93.726 14.478,-84.836 15.275,-84.039 U43.4@15.985,-84.039
F_EXTA: J12.2 U44.7 | length 5.8
  Top Layer w0.254: U44.7@64.279,-86.668 69.279,-86.668 J12.2@69.841,-86.106
F_EXTB: J12.4 U44.8 | length 9.8
  Top Layer w0.254: U44.8@64.279,-86.268 67.021,-86.268 67.691,-85.598 67.691,-82.296 69.381,-80.606 J12.4@69.841,-80.606
F_RTS: JP7.1 U43.1 | length 5.7
  Top Layer w0.254: JP7.1@11.176,-84.963 13.35,-82.789 U43.1@15.985,-82.789
F_RX: JP7.3 U43.3 | length 10.2
  Top Layer w0.254: JP7.3@11.176,-90.043 13.208,-90.043 13.97,-89.281 13.97,-84.582 14.913,-83.639 U43.3@15.985,-83.639
F_TX: JP7.2 U43.2 | length 8.2
  Top Layer w0.254: JP7.2@11.176,-87.503 13.081,-87.503 13.335,-87.249 13.335,-84.455 14.551,-83.239 U43.2@15.985,-83.239